# KiCad board RP2040-Breadstick Panel.kicad_pcb (continued)
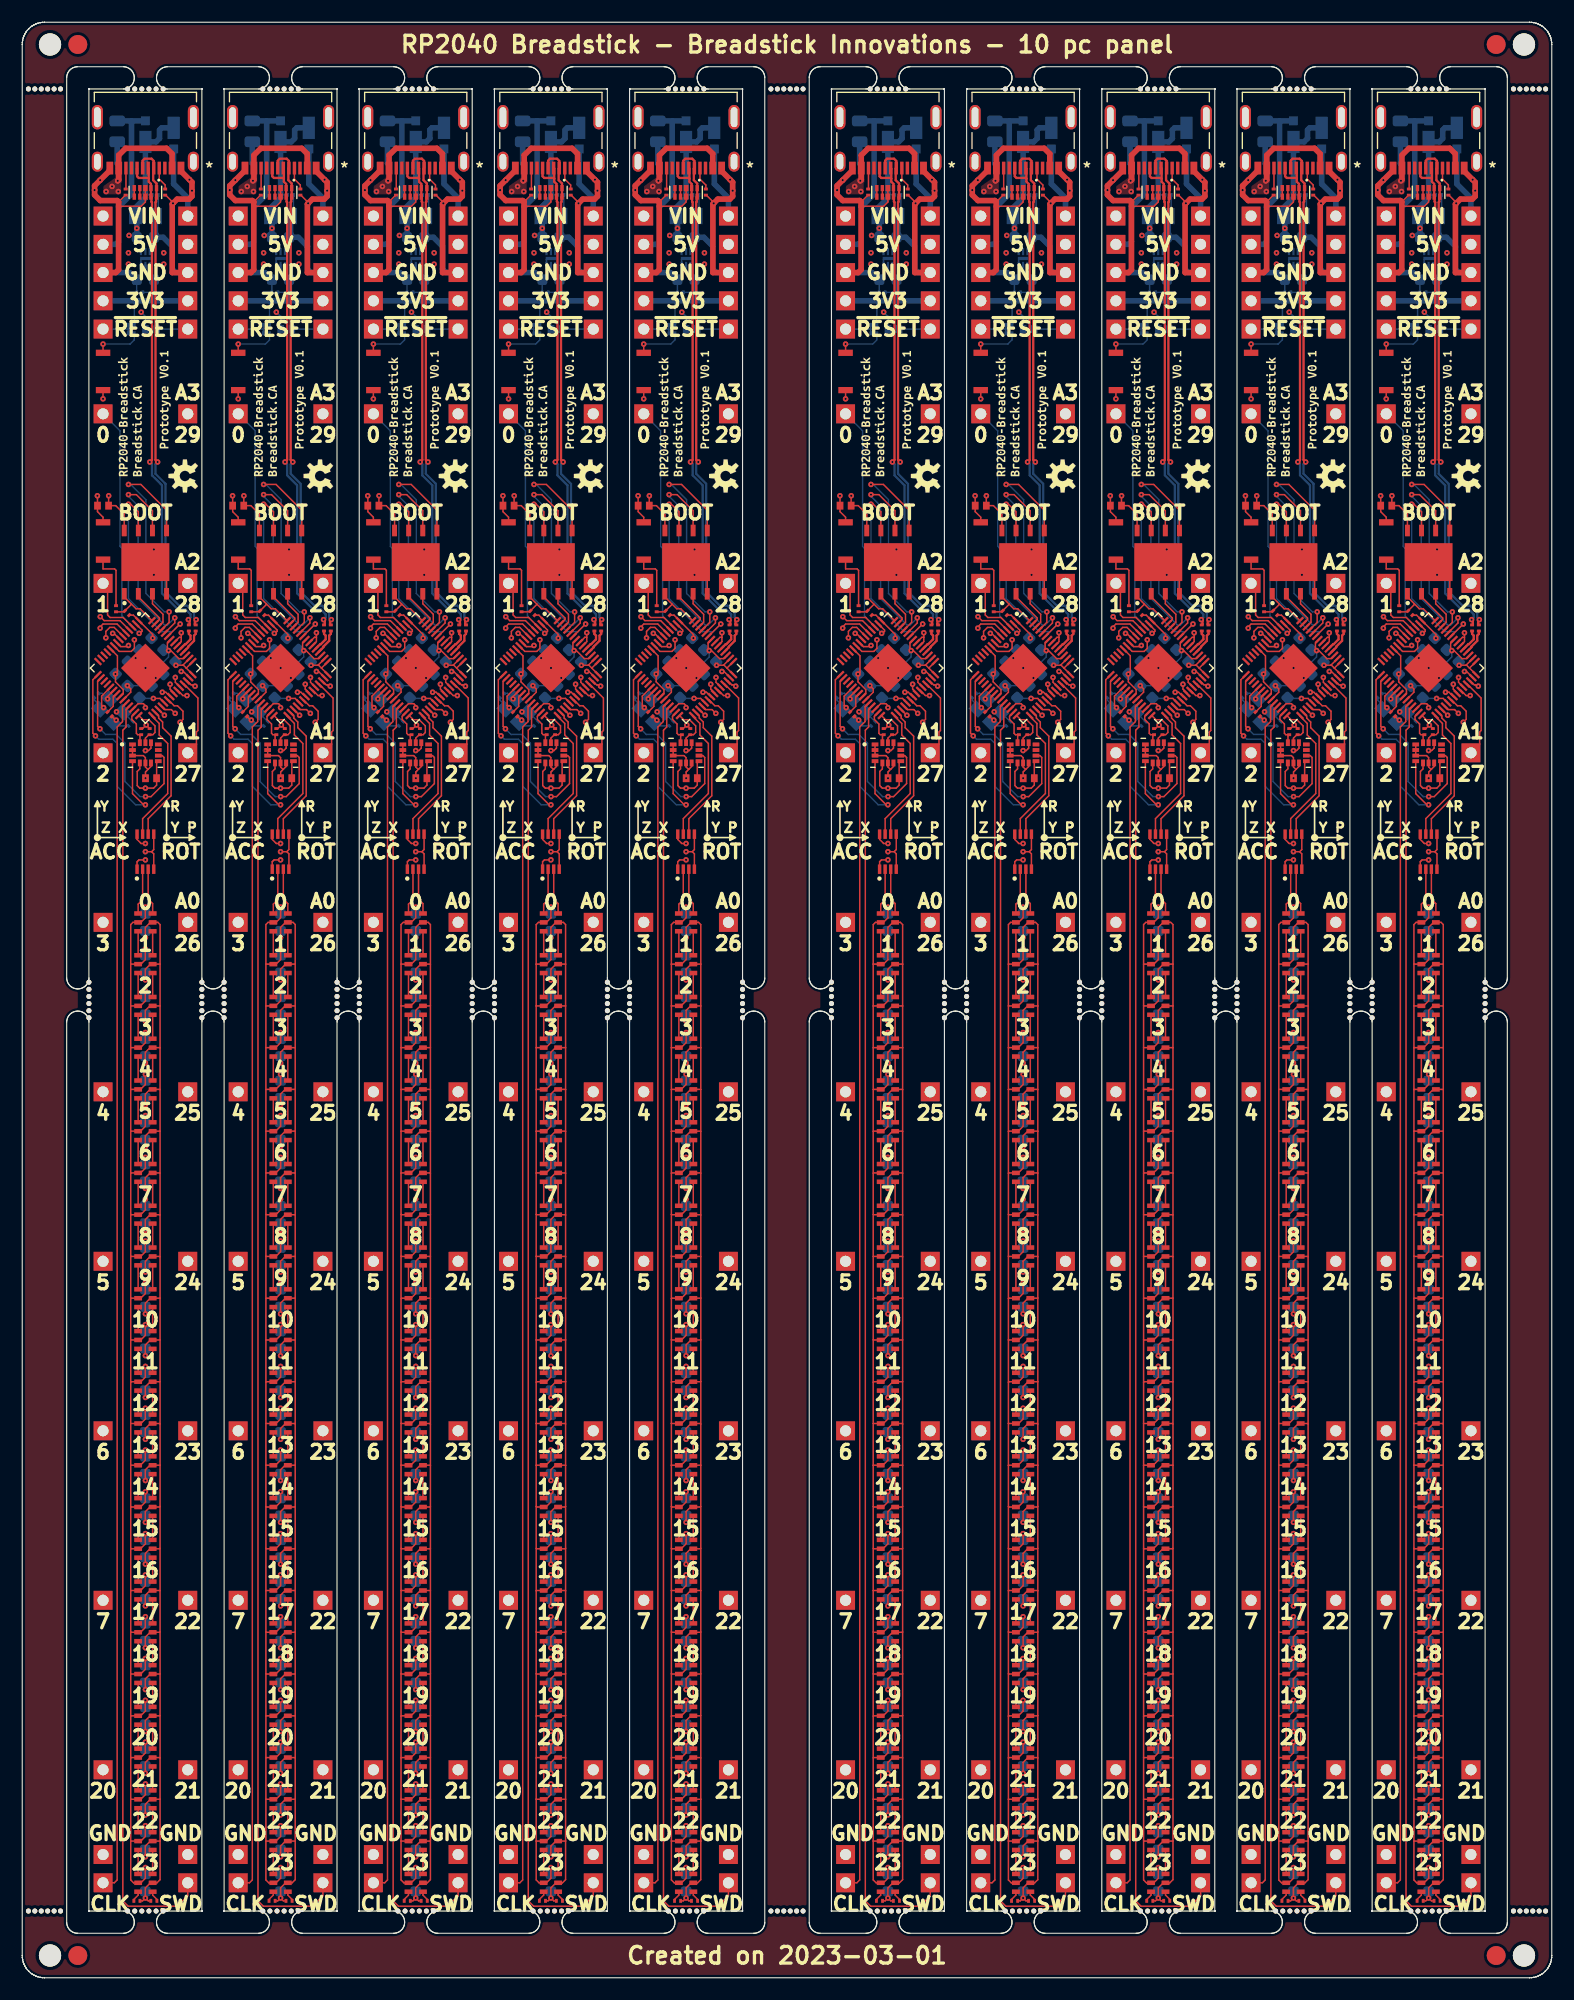
[diagram p0: board, top side]
## Routing (per net, layer and track width the routed paths; a pad name or vN(x,y) marks a point on that pad's centre or on a via; arc(x,y) is an arc through that point) (continued)
  L1_SIG.Cu w0.127: U201#10.38 62.41,116.48 v1(62.41,116.92)
  L3_SIG.Cu w0.127: J220#2.1 63.53,107.85 62.41,108.97 62.41,111.27 64,111.27 64.44,111.71 64.44,115.02 62.54,116.92 v1(62.41,116.92)
Board_4-/RP2040/ADC1: length 7.1
  L1_SIG.Cu w0.127: J219#10.1 64.31,110.92 64.31,112.01 64.44,112.15 64.44,115.07 63.19,116.32 U201#10.39
Board_4-/RP2040/ADC2: length 12.9
  L1_SIG.Cu w0.127: U201#10.40 63.48,116.6 63.83,116.25 63.94,116.25 64.06,116.13 v1(64.19,116.13)
  L3_SIG.Cu w0.127: v1(64.19,116.13) 64.19,118.91 61.32,121.78 61.32,124.11 62.59,125.38 J218#9.1
Board_4-/RP2040/ADC3: length 26.9
  L1_SIG.Cu w0.127: U201#10.41 63.14,117.46 v1(62.95,117.46)
  L3_SIG.Cu w0.127: v1(62.95,117.46) 63.3,117.81 63.3,118.62 60.3,121.62 60.3,124.45 61.83,125.98 61.83,128.07 63.53,129.77 J217#2.1
Board_4-/RP2040/D0: length 22.3
  L1_SIG.Cu w0.127: v1(59.16,120.88) 59.24,120.88 59.42,121.06 59.42,121.18 U201#10.2
  L8_SIG.Cu w0.127: v1(59.16,120.88) 57.61,122.43 57.61,128.53 57.43,128.71 57.43,139.1 J205#8.1
Board_4-/RP2040/D1: length 5.7
  L1_SIG.Cu w0.127: J206#9.1 56.32,124.97 56.32,122.54 56.55,122.31 57.72,122.31 U201#10.3
Board_4-/RP2040/D2: length 16.5
  L1_SIG.Cu w0.127: U201#10.4 57.43,122.03 56.01,122.03 v1(55.66,122.38)
  L3_SIG.Cu w0.127: v1(55.66,122.38) 55.02,121.74 55.02,113.26 55.35,112.93 55.78,112.93 56.18,112.53 56.18,111.43 55.91,111.16 J207.1
Board_4-/RP2040/D3: length 30.6
  L1_SIG.Cu w0.127: v1(55.65,121.35) 55.65,121.46 55.91,121.72 57.17,121.72 U201#10.5
  L3_SIG.Cu w0.127: v1(55.65,121.35) 55.63,121.33 55.63,114.94 55.45,114.76 55.45,114.03 57.04,112.44 57.04,108.93 55.91,107.8 J208.1
Board_4-/RP2040/D4: length 44.8
  L1_SIG.Cu w0.127: U201#10.6 56.91,121.42 56.52,121.42 56.16,121.06 v1(56.16,120.48)
  L3_SIG.Cu w0.127: J209#2.1 55.91,92.33 57.04,93.46 57.04,108.2 57.5,108.66 57.5,112.5 57.66,112.66 57.66,114.39 56.16,115.89 v1(56.16,120.48)
Board_4-/RP2040/D5: length 59
  L1_SIG.Cu w0.127: v1(56.77,120.88) 56.88,120.88 U201#10.7
  L3_SIG.Cu w0.127: v1(56.77,120.88) 56.77,117.89 56.52,117.63 56.52,116.98 58.03,115.47 58.03,112.25 57.96,112.18 57.96,108.31 57.63,107.98 57.63,92.85 57.05,92.27 57.05,78.22 55.91,77.08 J210#8.1
Board_4-/RP2040/D6: length 73.9
  L1_SIG.Cu w0.127: v1(58.2,119.79) 58.09,119.69 57.51,119.69 U201#10.8
  L3_SIG.Cu w0.127: v1(58.2,119.79) 57.84,119.79 57.56,119.51 57.56,117.72 58.62,116.66 58.62,114.03 58.43,113.84 58.43,112.07 58.37,112.01 58.37,108.08 58.22,107.93 58.22,92.21 57.7,91.69 57.7,63.31 55.91,61.52 J211#8.1
Board_4-/RP2040/D7: length 91.4
  L1_SIG.Cu w0.127: v1(58.73,120.3) 58.73,119.54 58.45,119.26 57.37,119.26 U201#10.9
  L3_SIG.Cu w0.127: v1(58.73,120.3) 58.73,119.33 58.33,118.93 58.33,118.17 59.39,117.11 59.39,114.79 59.05,114.45 59.05,113.42 58.82,113.19 58.82,107.8 58.7,107.68 58.7,91.44 58.46,91.2 58.46,62.09 57.24,60.87 57.24,44.1 55.91,42.77 J212#6.1
Board_4-/RP2040/D20: length 98.8
  L1_SIG.Cu w0.127: v1(61.43,113.52) 61.41,113.52 U201#10.31
  L3_SIG.Cu w0.127: v1(61.43,113.52) 59.91,113.52 59.23,112.84 59.23,61.15 58.49,60.41 58.49,32.49 55.91,29.91 J204#10.1
Board_4-/RP2040/D21: length 99.2
  L1_SIG.Cu w0.127: U201#10.32 61.47,114.03 62.06,114.03 62.39,113.69 v1(62.4,113.69)
  L3_SIG.Cu w0.127: v1(62.4,113.69) 62.2,113.49 62.2,113.17 62.03,113 61.23,113 60.23,112 60.23,61.15 60.98,60.4 60.98,32.39 63.53,29.84 J203#7.1
Board_4-/RP2040/D22: length 84.5
  L1_SIG.Cu w0.127: v1(62.84,112.89) 63.1,113.15 63.1,113.88 62.61,114.37 62.31,114.37 61.77,114.91 U201#10.34
  L3_SIG.Cu w0.127: v1(62.84,112.89) 62.56,112.61 61.49,112.61 60.7,111.82 60.7,107.82 60.78,107.74 60.78,91.48 61.01,91.25 61.01,62.28 62.23,61.06 62.23,44.18 63.47,42.94 63.47,34 J213#7.1
Board_4-/RP2040/D23: length 71.1
  L1_SIG.Cu w0.127: U201#10.35 61.95,115.19 61.55,115.59 v1(61.24,115.59)
  L3_SIG.Cu w0.127: v1(61.24,115.59) 61.56,115.59 63.36,113.79 63.36,112.48 63.12,112.24 61.7,112.24 61.16,111.7 61.16,108.08 61.3,107.94 61.3,92.01 61.75,91.56 61.75,63.31 63.53,61.53 J214#2.1
Board_4-/RP2040/D24: length 56.2
  L1_SIG.Cu w0.127: U201#10.36 62.29,115.52 61.94,115.87 v1(61.94,116.31)
  L3_SIG.Cu w0.127: v1(61.94,116.31) 61.94,115.87 63.73,114.08 63.73,112.19 63.45,111.92 61.9,111.92 61.58,111.6 61.58,108.31 61.84,108.05 61.84,92.71 62.4,92.15 62.4,78.12 63.53,76.99 J215.1
Board_4-/RP2040/D25: length 39.4
  L1_SIG.Cu w0.127: v1(63.46,115.29) 63.09,115.29 62.62,115.76 U201#10.37
  L3_SIG.Cu w0.127: v1(63.46,115.29) 64.08,114.67 64.08,111.95 63.76,111.63 62.18,111.63 61.99,111.44 61.99,108.69 62.41,108.27 62.41,93.35 63.53,92.23 J202#10.1
Board_4-/RP2040/MCU_QSPI_CSN: length 5.4
  L1_SIG.Cu w0.127: 58.44,123.54 58.88,123.09 59.24,123.09 U201#10.56 ; 58.44,123.54 58.44,123.47 R205.2 57.79,122.82 R204#6.2 ; 58.44,123.54 57.81,124.16 U203#5.1
Board_4-/RP2040/MCU_QSPI_SCLK: length 20.6
  L1_SIG.Cu w0.127: v1(62.36,122.28) 62.36,121.82 U201#10.52 ; U203#5.6 60.36,131.91 58.91,133.36 v1(58.2,133.36)
  L8_SIG.Cu w0.127: v1(62.36,122.28) 61.7,121.62 61.45,121.62 59.06,124.01 59.06,132.34 58.2,133.2 v1(58.2,133.36)
Board_4-/RP2040/MCU_QSPI_SD0: length 21.5
  L1_SIG.Cu w0.127: U203#5.5 61.62,131.96 59.31,134.27 v1(58.2,134.27) ; v1(61.85,122.81) 61.85,121.87 U201#10.53
  L8_SIG.Cu w0.127: v1(58.2,134.27) 58.4,134.27 59.77,132.9 59.77,124.47 61.42,122.81 v1(61.85,122.81)
Board_4-/RP2040/MCU_QSPI_SD1: length 3.6
  L1_SIG.Cu w0.127: U201#10.55 60.99,122.14 60.99,122.26 59.09,124.16 U203#5.2
Board_4-/RP2040/MCU_QSPI_SD2: length 3.5
  L1_SIG.Cu w0.127: U203#5.3 60.36,123.55 61.3,122.6 61.3,121.89 U201#10.54
Board_4-/RP2040/MCU_QSPI_SD3: length 19.1
  L1_SIG.Cu w0.127: v1(58.2,132.49) 58.4,132.49 59.09,131.81 U203#5.7 ; v1(62.84,121.72) 62.83,121.72 U201#10.51
  L8_SIG.Cu w0.127: v1(62.84,121.72) 62.16,121.04 61.17,121.04 58.2,124.01 v1(58.2,132.49)
Board_4-/RP2040/MCU_USB_D+: length 2.1
  L1_SIG.Cu w0.2: U201#10.47 63.28,119.91 63.34,119.91
  L1_SIG.Cu w0.203: 63.34,119.91 63.78,120.35 63.78,120.68 63.63,120.83 R203#5.1
Board_4-/RP2040/MCU_USB_D-: length 2.3
  L1_SIG.Cu w0.2: U201#10.46 63.57,119.63 63.57,119.68
  L1_SIG.Cu w0.203: 63.57,119.68 64.1,120.21 64.1,120.68 64.24,120.83 R202#3.1
Board_4-/RP2040/USB_D+: length 45.2
  L1_SIG.Cu w0.203: 60.02,161.77 59.96,161.83 59.12,161.83 58.97,161.98 J221#6.B6 ; 60.02,161.77 60.02,162.67 J221#6.A6 ; 60.02,161.77 60.02,161.49 60.22,161.29 U202.2 U202.9 60.26,160.11 60.26,159.7 60.31,159.64 60.31,136.48 v1(60.12,136.29) ; R203#5.2 63.7,121.71 63.7,122 v1(63.59,122.12)
  L8_SIG.Cu w0.203: v1(63.59,122.12) 63.78,122.31 63.78,122.6 63.32,123.05 62.63,123.05 61.21,124.47 61.21,134.19 60.31,135.09 60.31,136.1 v1(60.12,136.29)
Board_4-/RP2040/USB_D-: length 45.9
  L1_SIG.Cu w0.203: v1(64.29,122.12) 64.17,122 64.17,121.71 R202#3.2 ; J221#6.A7 59.47,163.38 59.65,163.56 60.27,163.56 60.47,163.36 J221#6.B7 60.42,162.67 60.42,161.63 60.72,161.33 U202.1 U202.10 60.68,160.11 60.68,159.7 60.63,159.64 60.63,136.48 v1(60.82,136.29)
  L8_SIG.Cu w0.203: v1(64.29,122.12) 64.1,122.31 64.1,122.73 63.46,123.37 62.77,123.37 61.53,124.61 61.53,134.33 60.63,135.23 60.63,136.1 v1(60.82,136.29)
Board_4-/RP2040/~{RESET}: length 49.9
  L1_SIG.Cu w0.127: U201#10.26 59.07,114.56 59.54,114.56 59.72,114.38 v1(59.72,114.2)
  L3_SIG.Cu w0.127: 59.09,148.24 59.09,121.77 59.77,121.09 59.77,118.52 60.35,117.94 60.35,117.49 59.95,117.09 59.95,114.43 v1(59.72,114.2)
  L3_SIG.Cu w0.5: J201#4.1 J222#3.1
  L8_SIG.Cu w0.127: C207#7.1 J201#4.1 ; 58.17,148.22 58.15,148.24 J222#3.1 ; 58.17,148.22 R211#10.2 ; 58.17,148.22 R208#5.2
Board_4-GND: length 241.1
  L1_SIG.Cu w0.127: 60.28,101.25 60.47,101.44 IC301#5.5 ; 60.28,101.25 v1(59.72,101.25) ; 60.28,101.25 60.47,101.06 IC301#5.4 ; U202.3 U202.8 59.72,159.67 59.34,159.29 57.31,159.29 ; 61.04,12.3 61.03,12.29 LED323#9.2 60.17,12.29 59.72,11.84 v1(59.72,10.88) ; 61.04,12.3 61.04,8.82 60.76,8.54 LED324#2.2 60.17,8.54 59.72,8.08 v1(59.72,7.17) ; 61.04,12.3 61.04,16.06 ; v1(59.72,7.17) 59.47,6.91 R304.2 ; v1(59.72,7.17) 59.97,6.91 60.21,6.91 ; 61.04,38.61 61.04,34.8 ; 61.04,38.61 61,38.57 LED316#4.2 60.14,38.57 59.72,38.16 v1(59.72,37.19) ; 61.04,38.61 61.04,42.37 ; 61.04,34.8 61.04,31.1 ; 61.04,34.8 61.03,34.82 LED317#5.2 60.14,34.82 59.72,34.4 v1(59.72,33.43) ; 59.97,108.67 59.92,108.67 59.72,108.87 U401#9.6 59.72,109.71 59.54,109.89 U401#9.3 U401#9.2 U401#9.1 ; 59.97,108.67 59.73,108.42 v1(59.73,107.86) C401#8.2 ; 59.97,108.67 60.22,108.91 U401#9.7 ; 61.04,49.79 61.04,46.08 ; 61.04,49.79 61.04,53.6 ; 61.04,49.79 60.99,49.84 LED313#6.2 60.17,49.84 59.72,49.38 v1(59.72,48.42) ; 61.04,46.08 LED314#10.2 60.13,46.08 59.72,45.67 v1(59.72,44.71) ; 61.04,46.08 61.04,42.37 ; v1(62.2,159.55) 62.2,159.63 61.54,160.28 R207#6.2 ; 61.04,27.34 61.04,23.58 ; 61.04,27.34 61.04,31.1 ; 61.04,27.34 61.01,27.31 LED319#8.2 60.15,27.31 59.72,26.88 v1(59.72,25.91) ; 61.04,23.58 61.02,23.55 LED320.2 60.15,23.55 59.72,23.12 v1(59.72,22.15) ; 61.04,23.58 61.04,19.77 ; U203#5.4 61.62,127.29 v1(60.48,128.43) ; 61.04,16.06 61.03,16.04 LED322#2.2 60.16,16.04 59.72,15.6 v1(59.72,14.64) ; 61.04,16.06 61.04,19.77 ; v1(60.48,126.14) 60.48,126.52 U203#5.9 ; v1(59.72,89.72) 59.72,90.68 60.18,91.14 LED302#2.2 61.04,91.14 ; v1(59.72,78.49) 59.72,79.46 60.14,79.88 LED305#10.2 61.03,79.88 61.04,79.86 ; v1(59.72,59.7) 59.72,60.66 60.16,61.1 LED310#5.2 61.02,61.1 61.04,61.12 ; 61.04,53.6 61.03,53.59 LED312#10.2 60.17,53.59 59.72,53.14 v1(59.72,52.18) ; 61.04,53.6 61.04,57.36 ; 61.04,87.38 61.04,83.62 ; 61.04,87.38 61.04,91.14 ; 61.04,87.38 61.04,87.39 LED303#6.2 60.13,87.39 59.72,86.98 v1(59.72,86.01) ; 61.04,83.62 61.03,83.63 LED304#2.2 60.13,83.63 59.72,83.22 v1(59.72,82.25) ; 61.04,83.62 61.04,79.86 ; 61.04,91.14 61.04,94.7 60.84,94.9 LED301#2.2 60.17,94.9 59.72,94.44 v1(59.72,93.53) ; 61.04,76.1 61.02,76.12 LED306#10.2 60.14,76.12 59.72,75.7 v1(59.72,74.73) ; 61.04,76.1 61.04,79.86 ; 61.04,76.1 61.04,72.34 ; 61.04,64.83 61.04,61.12 ; 61.04,64.83 61.01,64.86 LED309#4.2 60.16,64.86 59.72,64.42 v1(59.72,63.45) ; 61.04,64.83 61.04,68.59 ; 61.04,61.12 61.04,57.36 ; 61.04,68.59 61.01,68.61 LED308#3.2 60.15,68.61 59.72,68.18 v1(59.72,67.21) ; 61.04,68.59 61.04,72.34 ; 61.04,19.77 61.01,19.8 LED321#3.2 60.16,19.8 59.72,19.36 v1(59.72,18.4) ; 61.04,31.1 61.01,31.06 LED318#9.2 60.15,31.06 59.72,30.64 v1(59.72,29.67) ; 61.04,42.37 61,42.33 LED315#6.2 60.13,42.33 59.72,41.92 v1(59.72,40.95) ; v1(55.96,114.2) 55.78,114.38 55.78,115.24 U201#10.19 ; v1(59.72,70.97) 59.72,71.94 60.15,72.37 LED307#3.2 61.02,72.37 61.04,72.34 ; 61.04,57.36 61.03,57.35 LED311#3.2 60.17,57.35 59.72,56.9 v1(59.72,55.94) ; R206#6.2 57.92,160.28 57.32,159.68 57.29,159.68 ; v1(55.4,133.25) 55.41,133.25 C216.2 55.41,131.82 55.91,131.32 SW201#10.1 ; SW202#4.1 v1(55.91,141.97)
  L1_SIG.Cu w0.5: J221#6.A1/B12 62.92,162.44 v1(63.68,161.68) 63.91,161.45 v1(63.91,160.69) 63.91,160.18 63.66,159.92 62.58,159.92 v1(62.2,159.55) 62.13,159.48 62.13,153.32 J506#9.1 ; J505#6.1 57.05,153.32 57.31,153.57 57.31,159.67 57.18,159.8 55.66,159.8 55.15,160.31 v1(55.15,160.74) 55.15,161.13 v1(55.65,161.63) 56.52,162.5 J221#6.B1/A12
  L3_SIG.Cu w0.5: J505#6.1 J506#9.1
  L8_SIG.Cu w0.127: v1(59.72,82.25) C306#4.2 ; v1(59.72,22.15) C322#9.2 ; v1(59.72,40.95) C317#8.2 ; U501#2.7 59.39,154.59 59.32,154.52 U501#2.3 ; v1(59.34,149.76) 59.73,149.38 C207#7.2 ; C309.2 59.72,71.58 v1(59.72,70.97) ; v1(59.72,86.01) C305#8.2 ; v1(59.72,18.4) C323#2.2 ; C201#6.2 55.13,114.88 55.61,114.41 ; v1(59.72,93.53) 59.72,94.13 ; C501#10.2 60.88,158.66 R501#2.1 ; v1(59.72,10.88) C325#8.2 ; v1(59.72,67.21) C310#3.2 ; v1(59.72,89.72) C304#3.2 ; v1(59.72,52.18) C314.2 ; v1(59.72,78.49) C307#10.2 ; C203#9.2 58.56,112.95 57.73,113.78 Y201#10.2 ; R502.1 58.94,152.68 C503.2 ; v1(59.72,74.73) 59.72,75.34 C308#4.2 ; v1(59.72,14.64) C324#9.2 ; v1(59.72,63.45) C311#3.2 ; v1(59.72,44.71) C316#3.2 ; v1(59.72,29.67) C320.2 ; v1(59.72,55.94) C313#10.2 ; v1(59.72,33.43) C319#10.2 ; v1(59.72,37.19) C318#2.2 ; v1(59.72,7.17) C326.2 ; v1(59.72,59.7) C312#6.2 ; v1(59.72,48.42) C315#8.2 ; v1(59.72,25.91) C321#6.2
  L8_SIG.Cu w0.203: C503.2 59.32,153.06 U501#2.3
  L8_SIG.Cu w0.5: C503.2 58.93,152.69 58.3,153.32 J505#6.1 ; C501#10.2 60.62,156.62 C502#2.2 61.32,156.5 62.13,155.68 62.13,153.62 62.44,153.32 J506#9.1
  vias: v1(57.12,113.83) v1(58.84,118.66) v1(59.73,117.77) v1(60.65,116.87)
Board_4-IMU_INT1: length 19.6
  L1_SIG.Cu w0.127: v1(59.72,105.47) 59.56,105.47 58.56,106.47 U401#9.4 ; v1(55.23,111.66) 54.99,111.9 54.99,116.71 U201#10.15
  L8_SIG.Cu w0.127: v1(55.23,111.66) 55.53,111.36 56.8,111.36 57.2,110.96 57.2,107.11 58.84,105.47 v1(59.72,105.47)
Board_4-IMU_INT2: length 18.5
  L1_SIG.Cu w0.127: U401#9.9 61.23,109.89 61.4,109.72 61.4,107.37 60.23,106.2 v1(59.73,106.2) ; U201#10.16 55.42,116.57 55.42,112.51 v1(55.63,112.3)
  L8_SIG.Cu w0.127: v1(59.73,106.2) 59.24,106.2 57.88,107.56 57.88,111.01 57.1,111.79 56.14,111.79 v1(55.63,112.3)
Board_4-IMU_SCL: length 3.9
  L1_SIG.Cu w0.127: U201#10.28 59.5,113.12 60.03,113.12 60.58,112.56 60.58,111.97 60.38,111.77 R210#4.1 60.03,111.77 59.72,111.46 U401#9.13
Board_4-IMU_SDA: length 3.4
  L1_SIG.Cu w0.127: U201#10.27 58.5,113.43 58.5,113.14 58.91,112.73 58.91,111.89 59.03,111.77 R209#3.1 59.23,111.66 59.23,111.06 U401#9.14
Board_4-LED_CLK: length 12.2
  L1_SIG.Cu w0.127: IC301#5.7 59.47,104.23 61.73,106.48 61.73,110.98 60.96,111.74 60.96,112.78 60.31,113.44 U201#10.29
Board_4-LED_DATA: length 12.4
  L1_SIG.Cu w0.127: IC301#5.6 59.97,104.22 62.03,106.28 62.03,111.64 61.27,112.4 61.27,112.91 60.91,113.26 60.91,113.45 U201#10.30
Board_4-Net-(C201-Pad1): length 2
  L1_SIG.Cu w0.127: U201#10.20 56.32,115.2 v1(56.32,114.99)
  L8_SIG.Cu w0.127: v1(56.32,114.99) 55.82,115.49 C201#6.1
Board_4-Net-(C203-Pad1): length 2.1
  L1_SIG.Cu w0.127: R201.1 57.03,113.08 v1(57.09,113.08)
  L8_SIG.Cu w0.127: C203#9.1 57.09,112.56 Y201#10.3
Board_4-Net-(J221-PadA5): length 2.1
  L1_SIG.Cu w0.127: R207#6.1 61.5,161.19 60.97,161.72 J221#6.A5
Board_4-Net-(J221-PadB5): length 1.9
  L1_SIG.Cu w0.127: J221#6.B5 57.97,160.86 R206#6.1
Board_4-Net-(LED301-Pad1): length 2.2
  L1_SIG.Cu w0.127: LED301#2.1 LED302#2.3
Board_4-Net-(LED301-Pad6): length 2.2
  L1_SIG.Cu w0.127: LED301#2.6 LED302#2.4
Board_4-Net-(LED302-Pad1): length 2.2
  L1_SIG.Cu w0.127: LED302#2.1 LED303#6.3
Board_4-Net-(LED302-Pad6): length 2.2
  L1_SIG.Cu w0.127: LED302#2.6 LED303#6.4
Board_4-Net-(LED303-Pad1): length 2.2
  L1_SIG.Cu w0.127: LED303#6.1 LED304#2.3
Board_4-Net-(LED303-Pad6): length 2.2
  L1_SIG.Cu w0.127: LED303#6.6 LED304#2.4
Board_4-Net-(LED304-Pad1): length 2.2
  L1_SIG.Cu w0.127: LED304#2.1 LED305#10.3
Board_4-Net-(LED304-Pad6): length 2.2
  L1_SIG.Cu w0.127: LED304#2.6 LED305#10.4
Board_4-Net-(LED305-Pad1): length 2.2
  L1_SIG.Cu w0.127: LED305#10.1 LED306#10.3
Board_4-Net-(LED305-Pad6): length 2.2
  L1_SIG.Cu w0.127: LED305#10.6 LED306#10.4
Board_4-Net-(LED306-Pad1): length 2.2
  L1_SIG.Cu w0.127: LED306#10.1 LED307#3.3
Board_4-Net-(LED306-Pad6): length 2.2
  L1_SIG.Cu w0.127: LED306#10.6 LED307#3.4
Board_4-Net-(LED307-Pad1): length 2.2
  L1_SIG.Cu w0.127: LED307#3.1 LED308#3.3
Board_4-Net-(LED307-Pad6): length 2.2
  L1_SIG.Cu w0.127: LED307#3.6 LED308#3.4
Board_4-Net-(LED308-Pad1): length 2.2
  L1_SIG.Cu w0.127: LED308#3.1 LED309#4.3
Board_4-Net-(LED308-Pad6): length 2.2
  L1_SIG.Cu w0.127: LED308#3.6 LED309#4.4
Board_4-Net-(LED309-Pad1): length 2.2
  L1_SIG.Cu w0.127: LED309#4.1 LED310#5.3
Board_4-Net-(LED309-Pad6): length 2.2
  L1_SIG.Cu w0.127: LED309#4.6 LED310#5.4
Board_4-Net-(LED310-Pad1): length 2.2
  L1_SIG.Cu w0.127: LED310#5.1 LED311#3.3
Board_4-Net-(LED310-Pad6): length 2.2
  L1_SIG.Cu w0.127: LED310#5.6 LED311#3.4
Board_4-Net-(LED311-Pad1): length 2.2
  L1_SIG.Cu w0.127: LED311#3.1 LED312#10.3
Board_4-Net-(LED311-Pad6): length 2.2
  L1_SIG.Cu w0.127: LED311#3.6 LED312#10.4
Board_4-Net-(LED312-Pad1): length 2.2
  L1_SIG.Cu w0.127: LED312#10.1 LED313#6.3
Board_4-Net-(LED312-Pad6): length 2.2
  L1_SIG.Cu w0.127: LED312#10.6 LED313#6.4
Board_4-Net-(LED313-Pad1): length 2.2
  L1_SIG.Cu w0.127: LED313#6.1 LED314#10.3
Board_4-Net-(LED313-Pad6): length 2.2
  L1_SIG.Cu w0.127: LED313#6.6 LED314#10.4
Board_4-Net-(LED314-Pad1): length 2.2
  L1_SIG.Cu w0.127: LED314#10.1 LED315#6.3
Board_4-Net-(LED314-Pad6): length 2.2
  L1_SIG.Cu w0.127: LED314#10.6 LED315#6.4
Board_4-Net-(LED315-Pad1): length 2.2
  L1_SIG.Cu w0.127: LED315#6.1 LED316#4.3
Board_4-Net-(LED315-Pad6): length 2.2
  L1_SIG.Cu w0.127: LED315#6.6 LED316#4.4
Board_4-Net-(LED316-Pad1): length 2.2
  L1_SIG.Cu w0.127: LED316#4.1 LED317#5.3
Board_4-Net-(LED316-Pad6): length 2.2
  L1_SIG.Cu w0.127: LED316#4.6 LED317#5.4
Board_4-Net-(LED317-Pad1): length 2.2
  L1_SIG.Cu w0.127: LED317#5.1 LED318#9.3
Board_4-Net-(LED317-Pad6): length 2.2
  L1_SIG.Cu w0.127: LED317#5.6 LED318#9.4
Board_4-Net-(LED318-Pad1): length 2.2
  L1_SIG.Cu w0.127: LED318#9.1 LED319#8.3
Board_4-Net-(LED318-Pad6): length 2.2
  L1_SIG.Cu w0.127: LED318#9.6 LED319#8.4
Board_4-Net-(LED319-Pad1): length 2.2
  L1_SIG.Cu w0.127: LED319#8.1 LED320.3
Board_4-Net-(LED319-Pad6): length 2.2
  L1_SIG.Cu w0.127: LED319#8.6 LED320.4
Board_4-Net-(LED320-Pad1): length 2.2
  L1_SIG.Cu w0.127: LED320.1 LED321#3.3
Board_4-Net-(LED320-Pad6): length 2.2
  L1_SIG.Cu w0.127: LED320.6 LED321#3.4
Board_4-Net-(LED321-Pad1): length 2.2
  L1_SIG.Cu w0.127: LED321#3.1 LED322#2.3
Board_4-Net-(LED321-Pad6): length 2.2
  L1_SIG.Cu w0.127: LED321#3.6 LED322#2.4
Board_4-Net-(LED322-Pad1): length 2.2
  L1_SIG.Cu w0.127: LED322#2.1 LED323#9.3
Board_4-Net-(LED322-Pad6): length 2.2
  L1_SIG.Cu w0.127: LED322#2.6 LED323#9.4
Board_4-Net-(LED323-Pad1): length 2.2
  L1_SIG.Cu w0.127: LED323#9.1 LED324#2.3
Board_4-Net-(LED323-Pad6): length 2.2
  L1_SIG.Cu w0.127: LED323#9.6 LED324#2.4
Board_4-Net-(LED324-Pad1): length 1
  L1_SIG.Cu w0.127: R305#5.1 60.76,7.05 60.37,7.43 LED324#2.1
Board_4-Net-(LED324-Pad6): length 1
  L1_SIG.Cu w0.127: LED324#2.6 59.07,7.43 58.68,7.05 58.68,6.91
Board_4-Net-(R201-Pad2): length 2
  L1_SIG.Cu w0.127: U201#10.21 56.82,115.15 56.82,114.32 R201.2
Board_4-Net-(R204-Pad1): length 5.2
  L1_SIG.Cu w0.127: R204#6.1 57.08,126.55 56.95,126.68 55.91,126.68 SW201#10.2
Board_4-Net-(R211-Pad1): length 4.3
  L1_SIG.Cu w0.127: SW202#4.2 v1(55.91,146.89)
  L8_SIG.Cu w0.127: R211#10.1 58.73,147.27 58.35,146.89 v1(55.91,146.89)
Board_4-Net-(U202-Pad4): length 0.8
  L1_SIG.Cu w0.127: U202.4 U202.7
Board_4-Net-(U202-Pad5): length 0.8
  L1_SIG.Cu w0.127: U202.5 U202.6
Board_4-SWCLK: length 107.5
  L1_SIG.Cu w0.127: U201#10.24 57.66,114.29 57.66,112.95 57.18,112.46 57.18,8.79 56.93,8.54 J223#4.1
Board_4-SWD: length 115.3
  L1_SIG.Cu w0.127: J224#10.1 63.53,7.37 62.59,6.43 58.17,6.43 57.69,6.91 57.69,112.17 57.98,112.46 57.98,114.04 U201#10.25
Board_4-VBUS: length 12.5
  L1_SIG.Cu w0.5: J221#6.A4/B9 62.12,164 61.62,164.5 57.94,164.5 57.32,163.87 J221#6.B4/A9 57.32,161.66 v1(57.23,161.58)
  L8_SIG.Cu w0.5: v1(57.23,161.58) 57.31,161.65 57.31,163 57.18,163.12 F501#8.1
  vias: v1(56.19,160.61) v1(56.72,161.07) v1(57.28,160.61)
Board_4-VHI: length 174.3
  L1_SIG.Cu w0.127: 58.4,23.53 58.43,23.55 LED320.5 59.29,23.55 59.72,23.98 v1(59.72,24.95) ; 58.4,23.53 58.4,27.34 ; 58.4,23.53 58.4,19.77 ; v1(59.72,39.93) 59.72,39.02 59.27,38.57 LED316#4.5 58.44,38.57 58.4,38.61 ; v1(59.72,84.99) 59.72,84.08 59.27,83.63 LED304#2.5 58.41,83.63 58.4,83.62 ; 58.4,79.86 58.41,79.88 LED305#10.5 59.28,79.88 59.72,80.32 v1(59.72,81.23) ; 58.4,79.86 58.4,83.62 ; 58.4,79.86 58.4,76.1 ; 58.4,31.1 58.4,27.34 ; 58.4,31.1 58.43,31.06 LED318#9.5 59.28,31.06 59.72,31.5 v1(59.72,32.47) ; 58.4,31.1 58.4,34.8 ; 58.4,27.34 58.43,27.31 LED319#8.5 59.29,27.31 59.72,27.74 v1(59.72,28.71) ; v1(59.72,43.69) 59.72,42.78 59.27,42.33 LED315#6.5 58.44,42.33 58.4,42.37 ; 58.4,19.77 58.4,16.06 ; 58.4,19.77 58.43,19.8 LED321#3.5 59.3,19.8 59.72,20.22 v1(59.72,21.19) ; 58.4,16.06 58.41,16.04 LED322#2.5 59.3,16.04 59.72,16.46 v1(59.72,17.43) ; 58.4,16.06 58.4,12.3 ; 58.4,38.61 58.4,42.37 ; 58.4,38.61 58.4,34.8 ; 58.4,83.62 58.4,87.38 ; v1(59.72,62.49) 59.72,61.52 59.3,61.1 LED310#5.5 58.43,61.1 58.4,61.07 ; 58.4,91.14 58.4,87.38 ; 58.4,91.14 58.4,94.7 58.6,94.9 LED301#2.5 59.31,94.9 59.72,95.31 v1(59.72,96.27) ; 58.4,91.14 LED302#2.5 59.31,91.14 59.72,91.55 v1(59.72,92.51) ; 58.4,87.38 58.4,87.39 LED303#6.5 59.27,87.39 59.72,87.84 v1(59.72,88.75) ; 58.4,61.07 58.4,57.36 ; 58.4,61.07 58.4,64.88 ; 58.4,57.36 58.4,53.55 ; 58.4,57.36 58.41,57.35 LED311#3.5 59.3,57.35 59.72,57.77 v1(59.72,58.73) ; 58.4,68.64 58.42,68.61 LED308#3.5 59.29,68.61 59.72,69.04 v1(59.72,70.01) ; 58.4,68.64 58.4,72.34 ; 58.4,68.64 58.4,64.88 ; 58.4,12.3 58.4,8.79 58.66,8.54 LED324#2.5 59.31,8.54 59.72,8.95 v1(59.72,9.91) ; 58.4,12.3 58.41,12.29 LED323#9.5 59.3,12.29 59.72,12.71 v1(59.72,13.67) ; v1(59.72,100.51) 59.14,100.51 58.97,100.35 IC301#5.1 ; 58.4,53.55 58.44,53.59 LED312#10.5 59.31,53.59 59.72,54.01 v1(59.72,54.97) ; 58.4,53.55 58.4,49.84 ; 58.4,42.37 58.4,46.08 ; v1(59.72,66.25) 59.72,65.28 59.29,64.86 LED309#4.5 58.42,64.86 58.4,64.88 ; 58.4,46.08 LED314#10.5 59.26,46.08 59.72,46.54 v1(59.72,47.45) ; 58.4,46.08 58.4,49.84 ; v1(59.72,73.77) 59.72,72.8 59.28,72.37 LED307#3.5 58.42,72.37 58.4,72.34 ; 58.4,72.34 58.4,76.1 ; v1(59.72,77.53) 59.72,76.56 59.28,76.12 LED306#10.5 58.42,76.12 58.4,76.1 ; 58.4,49.84 58.4,49.84 LED313#6.5 59.31,49.84 59.72,50.25 v1(59.72,51.21) ; 58.4,34.8 58.41,34.82 LED317#5.5 59.28,34.82 59.72,35.26 v1(59.72,36.23)
  L8_SIG.Cu w0.127: v1(59.72,28.71) C321#6.1 ; v1(59.72,77.53) 59.72,76.92 C308#4.1 ; v1(59.72,88.75) C305#8.1 ; v1(59.72,54.97) C314.1 ; v1(59.72,9.91) C326.1 ; v1(59.72,70.01) C310#3.1 ; C309.1 59.72,73.16 v1(59.72,73.77) ; v1(59.72,32.47) C320.1 ; v1(59.72,62.49) C312#6.1 ; v1(59.72,58.73) C313#10.1 ; v1(59.72,96.27) C303#5.1 ; v1(59.72,84.99) C306#4.1 ; v1(59.72,17.43) C324#9.1 ; v1(59.72,21.19) C323#2.1 ; v1(59.72,51.21) C315#8.1 ; R501#2.2 59.85,160.31 59.72,160.43 ; v1(59.72,13.67) C325#8.1 ; v1(59.72,66.25) C311#3.1 ; v1(59.72,36.23) C319#10.1 ; v1(59.72,47.45) C316#3.1 ; v1(59.72,81.23) C307#10.1 ; v1(59.72,39.93) C318#2.1 ; v1(59.72,92.51) C304#3.1 ; v1(59.72,24.95) C322#9.1 ; v1(59.72,43.69) C317#8.1
  L8_SIG.Cu w0.5: D501#10.1 61.18,166.34 60.99,166.15 60.99,165.39 60.67,165.07 D502#5.1 59.72,160.05 58.82,159.15 C501#10.1 58.95,158.28 v1(58.95,157.31) C502#2.1
  vias: v1(58.25,156.66) v1(58.2,155.1) v1(58.2,154.08) v1(61.37,155.1) v1(61.37,154.08)
Board_4-VIN: length 14.2
  L3_SIG.Cu w0.5: J502#6.1 J501#7.1
  L8_SIG.Cu w0.5: J501#7.1 63.53,160.03 62.26,161.3 D501#10.2
Board_5-3V3_LDO: length 53.3
  L1_SIG.Cu w0.127: U401.8 78.89,109.24 C401.1 78.89,107.24 78.62,106.97 v1(77.88,106.97) 77.37,106.97 77.14,107.19 77.14,108.46 77.38,108.7 U401.5 ; 81.11,120.53 80.93,120.53 U201#7.49 ; 81.11,120.53 81.11,120.14 U201#7.48 ; 81.11,120.53 v1(81.11,120.94) ; U401.12 78.38,110.56 78.16,110.34 v1(77.88,110.34) ; R205#2.1 76.8,122.52 U201#7.1 78.54,120.78 v1(78.54,120.45) ; 81.56,117.76 81.3,118.01 81.25,118.01 ; 81.56,117.76 81.56,117.76 U201#7.43 ; 81.56,117.76 U201#7.42 ; U203#9.8 75.98,131.6 75.21,132.37 C216#4.1 74.57,133.25 v1(74.58,133.25) ; U201#7.10 75.37,118.86 75.37,117.4 v1(75.19,117.23) 75.19,116.52 75.89,115.82 75.89,115.49 U201#7.22 ; R210#9.2 78.26,112.33 v1(77.95,112.64) 77.63,112.32 R209#2.2 ; v1(77.88,101.99) 77.5,101.99 77.13,102.36 IC301#8.8 ; v1(78.6,115.03) 79.2,115.03 U201#7.33 ; 81.25,118.01 U201#7.44 ; 81.25,118.01 v1(80.62,118.01)
  L3_SIG.Cu w0.5: J508#3.1 J507#3.1
  L8_SIG.Cu w0.127: v1(75.19,117.23) 75.2,117.24 C210#3.1 ; v1(78.6,115.03) 77.4,115.03 C206#3.1 ; 76.86,150.78 76.89,150.76 R208#8.1 ; C211#10.1 80.62,118.28 v1(80.62,118.01) ; R502#4.2 78.64,151.54
  L8_SIG.Cu w0.15: 78.28,153.33 78.66,152.95 C503#7.1
  L8_SIG.Cu w0.203: U501#5.2 77.88,153.47 78.03,153.33 78.28,153.33 U501#5.1
  L8_SIG.Cu w0.5: 78.54,150.78 J507#3.1 ; 78.54,150.78 J508#3.1 ; 78.54,150.78 78.67,150.91 78.67,152.67
Board_5-+1V1: length 10.2
  L1_SIG.Cu w0.127: U201#7.23 76.56,115.59 76.56,115.88 v1(76.26,116.18) ; U201#7.45 81.28,118.61 80.89,118.61 80.17,119.33 v1(79.96,119.33) 79.86,119.44 79.86,120.02 U201#7.50
  L8_SIG.Cu w0.127: v1(79.96,119.33) 79.96,118.76 77.38,116.18 v1(76.26,116.18)
Board_5-/Addressable RGB LEDs/CLK: length 4.1
  L1_SIG.Cu w0.127: IC301#8.2 77.63,96.94 77.23,96.54 LED301#9.4
Board_5-/Addressable RGB LEDs/DATA: length 4.1
  L1_SIG.Cu w0.127: IC301#8.3 78.13,96.99 78.53,96.59 LED301#9.3
Board_5-/RP2040/ADC0: length 26.2
  L1_SIG.Cu w0.127: U201#7.38 80.57,116.48 v1(80.57,116.92)
  L3_SIG.Cu w0.127: J220#9.1 81.69,107.85 80.57,108.97 80.57,111.27 82.16,111.27 82.6,111.71 82.6,115.02 80.7,116.92 v1(80.57,116.92)
Board_5-/RP2040/ADC1: length 7.1
  L1_SIG.Cu w0.127: J219#5.1 82.47,110.92 82.47,112.01 82.6,112.15 82.6,115.07 81.35,116.32 U201#7.39
Board_5-/RP2040/ADC2: length 12.9
  L1_SIG.Cu w0.127: U201#7.40 81.64,116.6 81.99,116.25 82.1,116.25 82.22,116.13 v1(82.35,116.13)
  L3_SIG.Cu w0.127: v1(82.35,116.13) 82.35,118.91 79.48,121.78 79.48,124.11 80.75,125.38 J218#7.1
Board_5-/RP2040/ADC3: length 26.9
  L1_SIG.Cu w0.127: U201#7.41 81.3,117.46 v1(81.11,117.46)
  L3_SIG.Cu w0.127: v1(81.11,117.46) 81.46,117.81 81.46,118.62 78.46,121.62 78.46,124.45 79.99,125.98 79.99,128.07 81.69,129.77 J217#8.1
